# Altium PCB STEERING_WHEEL_SWITCHES_V2_CONTROLLER.PcbDoc (part 2 of 2)
Units mm, origin at the board's own origin, x right, y up, seen from the top; angles counter-clockwise.
Board outline 50 x 40 mm, 4 copper layers (Top Layer, Mid Layer 1, Mid Layer 2, Bottom Layer), stack 1.57 mm thick; 158 components, 142 nets, 541 pads, 201 vias.
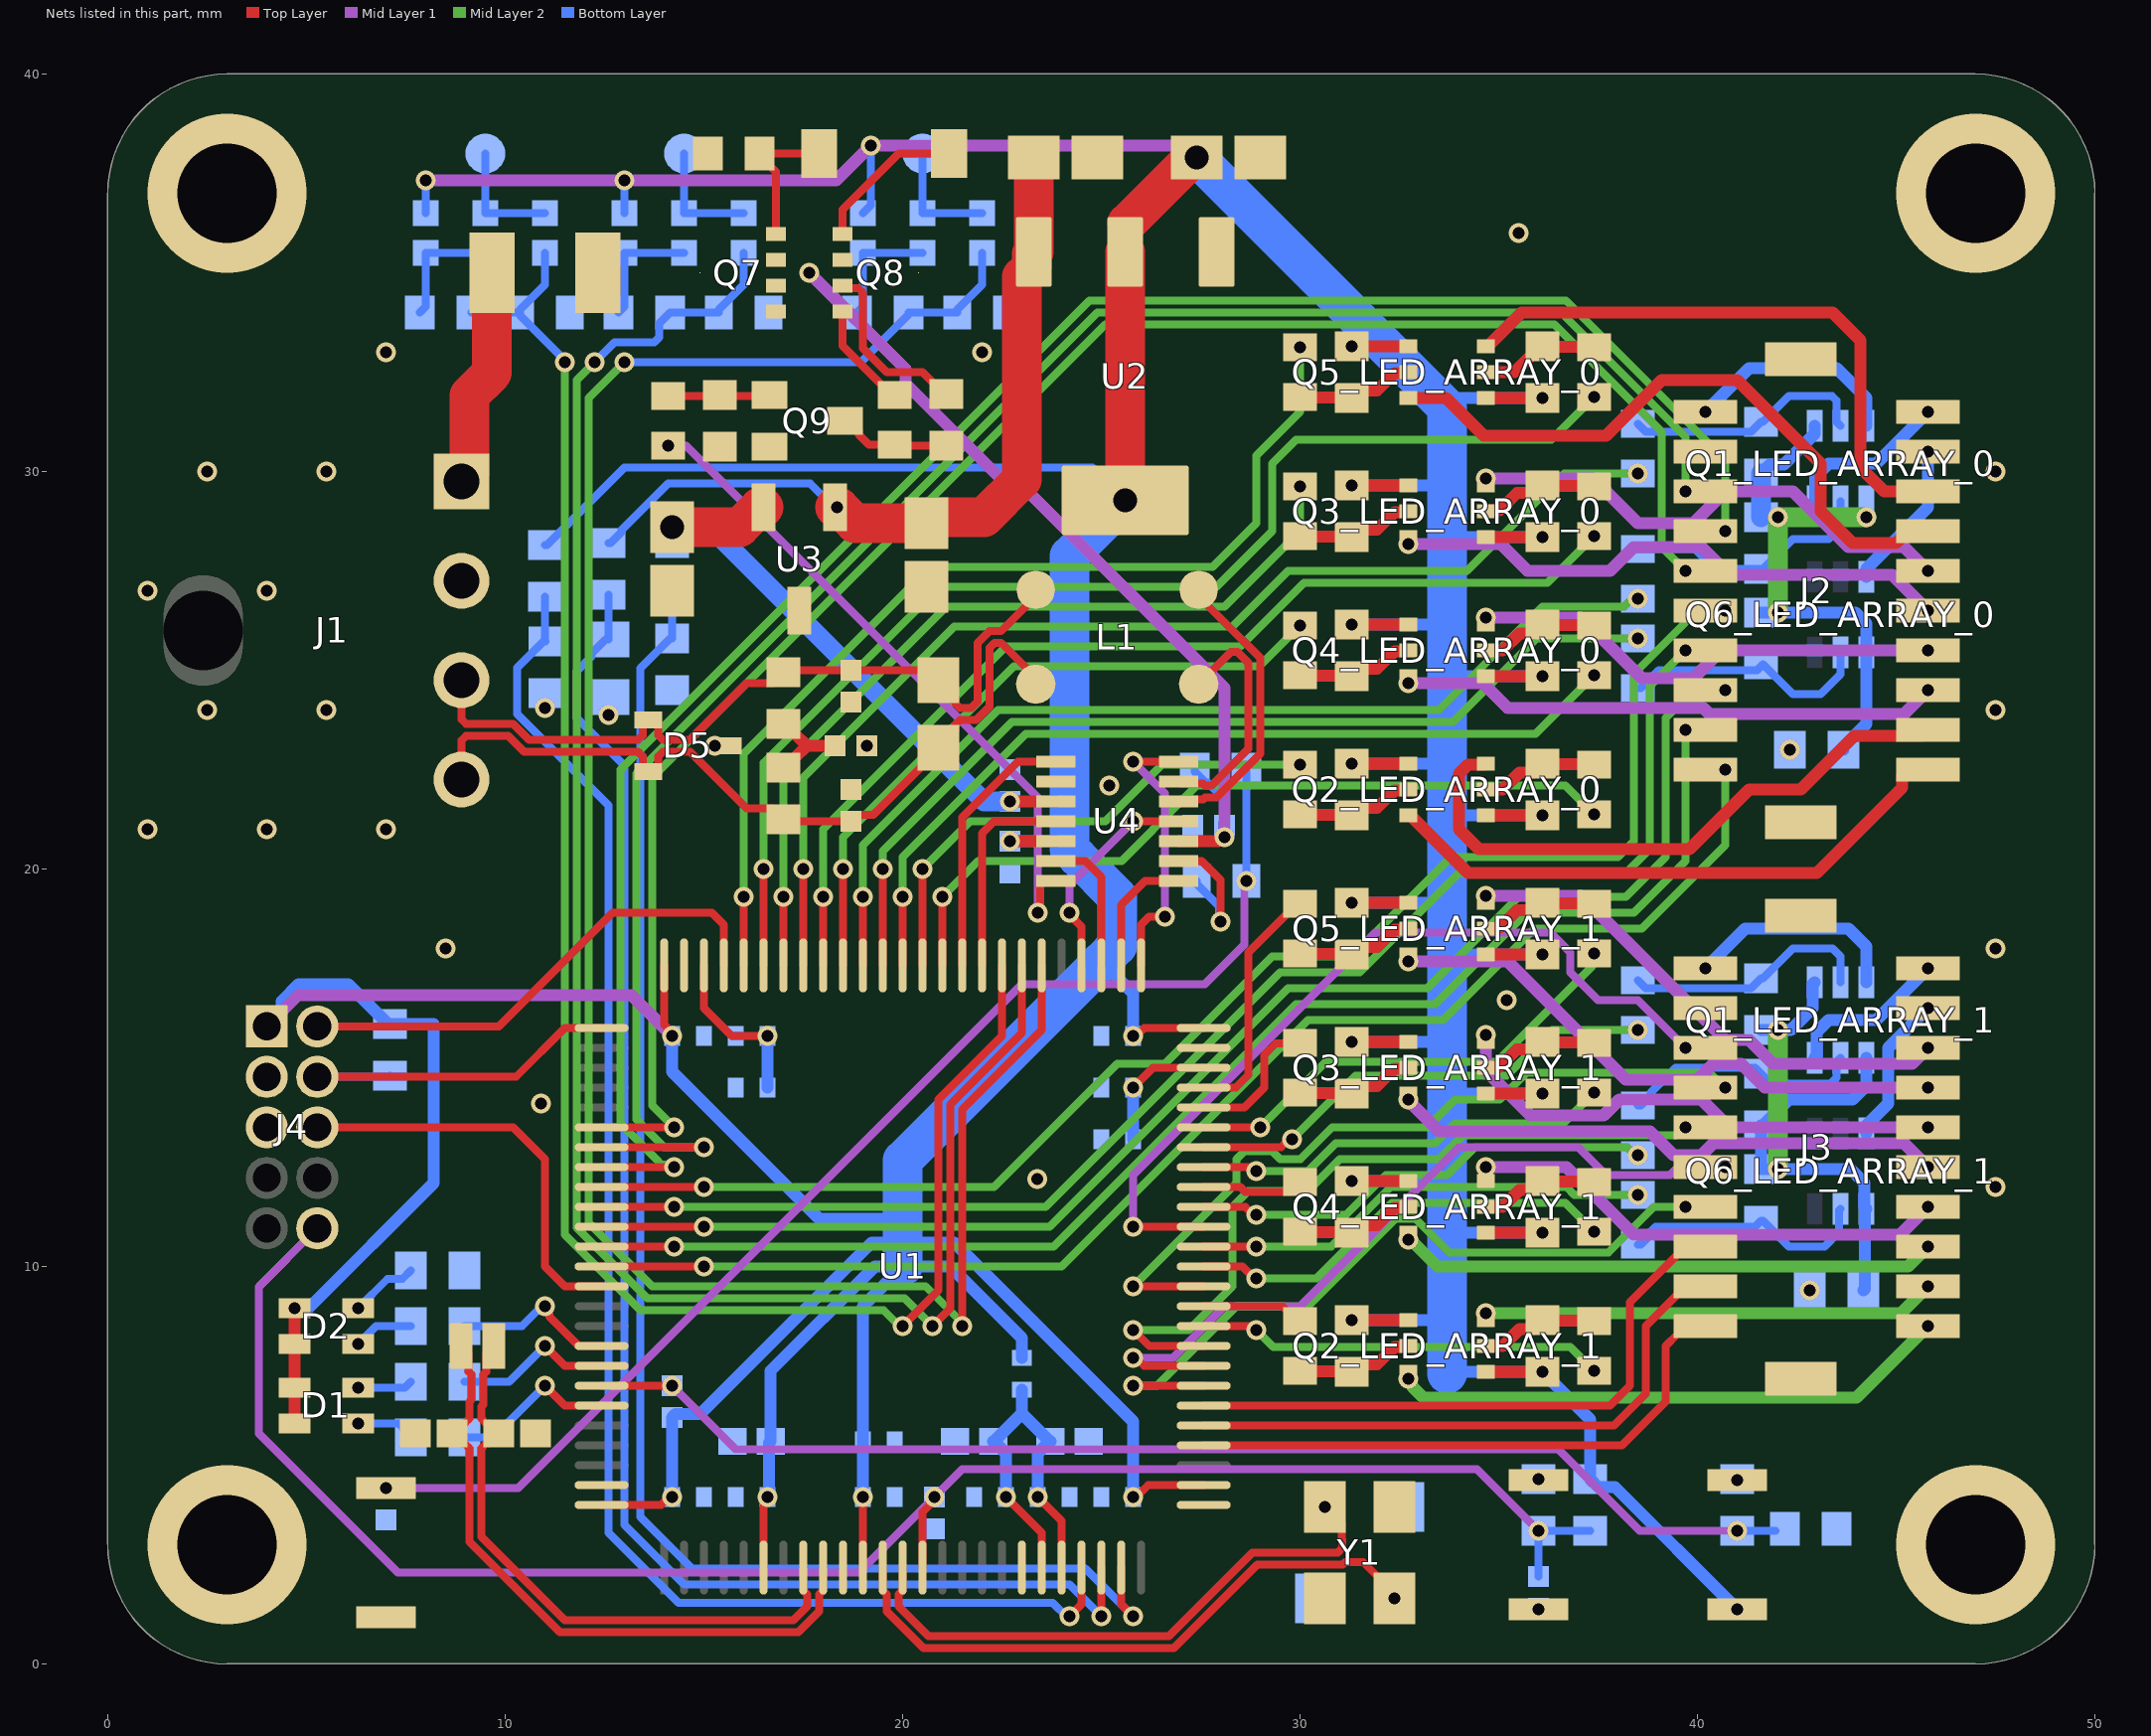
[diagram p4: the nets of this part, all layers, seen from the top]

## Via types
v1: diameter 0.5, hole 0.3, Top Layer to Bottom Layer, tented both sides, 191 vias
v2: diameter 4, hole 2.5, Top Layer to Bottom Layer, tented both sides, 4 vias
v3: diameter 0.5, hole 0.3, Top Layer to Bottom Layer, 3 vias
v4: diameter 1, hole 0.6, Top Layer to Bottom Layer, tented both sides, 3 vias

## Nets (pads, with @x,y where several pads share a name; then routed paths per layer and width w, separated by ;. In a path a pad name is that pad's centre, name@x,y a point inside that pad or via, vN(x,y) a via of type N, cw(c..) or ccw(c..) an arc to the next point about the centre after c; other vN are vias at no path point)
3V3: C2.1 C3.2 C4.2 C5.2 C6.2 C7.2 C14.1 C15.2 C20.2 C25.1 C29.2 D1.2 D1.3 D2.2 D2.3 FB1.1 J4.01 Q2_LED_ARRAY_0.1 Q2_LED_ARRAY_0.4 Q2_LED_ARRAY_1.1 Q2_LED_ARRAY_1.4 Q3_LED_ARRAY_0.1 Q3_LED_ARRAY_0.4 Q3_LED_ARRAY_1.1 Q3_LED_ARRAY_1.4 Q4_LED_ARRAY_0.1 Q4_LED_ARRAY_0.4 Q4_LED_ARRAY_1.1 Q4_LED_ARRAY_1.4 Q5_LED_ARRAY_0.1 Q5_LED_ARRAY_0.4 Q5_LED_ARRAY_1.1 Q5_LED_ARRAY_1.4 R3.2 R5.1 R13.1 R16_LED_ARRAY_0.2 R16_LED_ARRAY_1.2 R17_LED_ARRAY_0.2 R17_LED_ARRAY_1.2 R21_LED_ARRAY_0.2 R21_LED_ARRAY_1.2 R22_LED_ARRAY_0.2 R22_LED_ARRAY_1.2 R27_LED_ARRAY_0.2 R27_LED_ARRAY_1.2 R28_LED_ARRAY_0.2 R28_LED_ARRAY_1.2 R33_LED_ARRAY_0.2 R33_LED_ARRAY_1.2 R34_LED_ARRAY_0.2 R34_LED_ARRAY_1.2 R38.2 R54.2 R59.2 SW1.2 U1.6 U1.11 U1.27 U1.50 U1.75 U1.100 U2.2 U2.4 U4.5 | length 260.6
  Top Layer w0.2: U1.100@12.425,4 13.919,4 14.119,4.2 v1(14.2,4.2) ; U1.75@14,17.575 14,16.081 14.2,15.881 v1(14.2,15.8) ; U1.6@16.5,2.425 16.5,4.019 16.6,4.119 v1(16.6,4.2) ; U1.11@19,2.425 v1(19,4.2) ; v1(25.8,4.2) 25.881,4.2 26.181,4.5 U1.27@27.575,4.5 ; v1(25.8,15.8) 25.881,15.8 26.081,16 U1.50@27.575,16
  Top Layer w0.3: D1.3@4.7,6.05 D1.2@4.7,6.95 D2.3@4.7,8.05 v1(4.7,8.95) ; v1(22.7,20.7) U4.5@23.857,20.7 ; v1(31.3,8.65) Q2_LED_ARRAY_1.1@32.725,8.65 ; v1(31.3,12.15) Q4_LED_ARRAY_1.1@32.725,12.15 ; v1(31.3,15.65) Q3_LED_ARRAY_1.1@32.725,15.65 ; v1(31.3,19.15) Q5_LED_ARRAY_1.1@32.725,19.15 ; v1(31.3,22.65) Q2_LED_ARRAY_0.1@32.725,22.65 ; v1(31.3,26.15) Q4_LED_ARRAY_0.1@32.725,26.15 ; v1(31.3,29.65) Q3_LED_ARRAY_0.1@32.725,29.65 ; v1(31.3,33.15) Q5_LED_ARRAY_0.1@32.725,33.15 ; Q2_LED_ARRAY_1.4@34.675,7.35 v1(36.1,7.35) ; Q4_LED_ARRAY_1.4@34.675,10.85 v1(36.1,10.85) ; Q3_LED_ARRAY_1.4@34.675,14.35 v1(36.1,14.35) ; Q5_LED_ARRAY_1.4@34.675,17.85 v1(36.1,17.85) ; Q2_LED_ARRAY_0.4@34.675,21.35 v1(36.1,21.35) ; Q4_LED_ARRAY_0.4@34.675,24.85 v1(36.1,24.85) ; Q3_LED_ARRAY_0.4@34.675,28.35 v1(36.1,28.35) ; Q5_LED_ARRAY_0.4@34.675,31.85 v1(36.1,31.85)
  Top Layer w1: v4(25.6,29.275) U2.2@25.6,35.525 ; U2.2@25.65,36.25 C25.1@27.3,37.9
  Mid Layer 1 w0.3: J4.01@4,16.04 4.782,16.822 13.178,16.822 v1(14.2,15.8) ; v1(8,37.325) v1(13,37.325) 18.325,37.325 v1(19.2,38.2) 26.911,38.2 27.211,37.9 v4(27.4,37.9)
  Bottom Layer w0.2: R59.2@8,36.5 v1(8,37.325) ; R38.2@11,28.15 11.05,28.15 13,30.1 24.775,30.1 v4(25.6,29.275) ; R54.2@13,36.5 v1(13,37.325) ; R3.2@19,36.5 19.2,36.7 v1(19.2,38.2)
  Bottom Layer w0.3: J4.01@4,16.04 4.38,16.42 4.38,16.68 4.8,17.1 6.05,17.1 7.05,16.1 R5.1@7.1,16.1 8.2,16.1 8.2,12.1 5.07,8.97 4.72,8.97 v1(4.7,8.95) ; v1(14.2,4.2) C20.2@14.2,6.2 14.288,6.288 14.91,6.288 19.222,10.6 20,10.6 21.3,10.6 25.8,6.1 v1(25.8,4.2) ; C6.2@14.2,15.85 v1(14.2,15.8) 14.2,14.9 17.9,11.2 20,11.2 ; v1(16.6,4.2) 16.639,4.239 16.639,5.561 C14.1@16.679,5.6 16.679,7.379 19.3,10 20,10 ; v1(19,4.2) C2.1@19,5.6 19,9 20,10 ; v1(22.7,20.7) 24,20.7 24.4,20.3 ; FB1.1@23,7.7 23,8.2 21.2,10 20,10 ; 25,17.671 25.8,16.871 v1(25.8,15.8) ; v1(31.3,8.65) 33.65,8.65 33.7,8.6 ; v1(31.3,12.15) 33.55,12.15 33.7,12 ; v1(31.3,15.65) 33.65,15.65 33.7,15.6 ; v1(31.3,19.15) 33.65,19.15 33.7,19.1 ; v1(31.3,22.65) 33.65,22.65 33.7,22.6 ; v1(31.3,26.15) 33.65,26.15 33.7,26.2 ; v1(31.3,29.65) 33.5,29.65 33.7,29.85 ; 33.7,7.3 33.75,7.35 v1(36.1,7.35) 37.3,6.15 R13.1@37.3,4.65 37.506,4.444 37.931,4.444 v1(41,1.375) ; 33.7,10.8 33.75,10.85 v1(36.1,10.85) ; 33.7,14.3 33.75,14.35 v1(36.1,14.35) ; 33.7,17.9 33.75,17.85 v1(36.1,17.85) ; 33.7,21.4 33.75,21.35 v1(36.1,21.35) ; 33.7,24.633 33.917,24.85 v1(36.1,24.85) ; 33.7,28.1 33.95,28.35 v1(36.1,28.35) ; 33.7,31.6 33.95,31.85 v1(36.1,31.85)
  Bottom Layer w1: 20,10 20,10.6 20,11.2 20,12.671 25,17.671 25.394,18.065 25.394,19.306 24.4,20.3 ; 24.2,20.5 24.2,27.875 v4(25.6,29.275) ; v4(27.4,37.9) 33.7,31.6 33.7,29.85 33.7,28.1 33.7,26.2 33.7,24.633 33.7,22.6 33.7,21.4 33.7,19.1 33.7,17.9 33.7,15.6 33.7,14.3 33.7,12 33.7,10.8 33.7,8.6 33.7,7.3
5V: C27.1 C28.2 R41.2 U3.2 U4.3 | length 15
  Top Layer w0.3: v1(22.7,21.7) U4.3@23.857,21.7
  Top Layer w1: v4(14.2,28.601) 15.901,28.601 16.4,29.1 U3.2@16.5,29.1
  Bottom Layer w0.5: v4@14.201,28.6 15.15,28.6 22.05,21.7 v1(22.7,21.7)
BLU_ENABLE_LED_ARRAY_0: R31_LED_ARRAY_0.1 U1.64 | length 24.1
  Top Layer w0.2: U1.64@19.5,17.575 v1(19.5,20)
  Mid Layer 2 w0.2: v1(19.5,20) 19.5,20.45 22.748,23.698 33.848,23.698 35.95,25.8 v1(38.5,25.8)
BLU_ENABLE_LED_ARRAY_1: R31_LED_ARRAY_1.1 U1.39 | length 11.6
  Top Layer w0.2: U1.39@27.575,10.5 v1(28.9,10.5)
  Mid Layer 2 w0.2: v1(28.9,10.5) 30.784,10.5 32.28,11.997 36.705,11.997 36.902,11.8 v1(38.5,11.8)
BOOT: C20.1 R9.1 R12.2 U1.94 | length 31.1
  Top Layer w0.2: U1.94@12.425,7 v1(14.2,7)
  Mid Layer 1 w0.2: v1(14.2,7) 15.8,5.4 36.5,5.4 38.55,3.35 v1(41,3.35)
  Bottom Layer w0.2: v1(41,3.35) R12.2@41.967,3.35
CAN_INH: R42.2 U4.7 | length 17.1
  Top Layer w0.2: v1(23.4,18.9) 23.4,18.981 23.468,19.049 23.468,19.647 23.52,19.7 U4.7@23.857,19.7
  Mid Layer 1 w0.2: v1(14.1,30.65) 14.55,30.65 23.4,21.8 v1(23.4,18.9)
CAN_MISO: U1.53 U4.6 | length 3.5
  Top Layer w0.2: U4.6@23.857,20.2 24.6,20.2 25,19.8 U1.53@25,17.575
CAN_MOSI: U1.54 U4.11 | length 5.6
  Top Layer w0.2: v1(24.2,18.9) 24.2,18.853 24.5,18.553 U1.54@24.5,17.575 ; v1(25.804,21.196) 25.805,21.198 U4.11@26.943,21.2 U4.11@26.943,21.2
  Mid Layer 1 w0.2: v1(24.2,18.9) 24.2,19.6 25.796,21.196 v1(25.804,21.196)
CAN_N: C32.1 D5.1 J1.3 L1.4 R49.1 R50.1 | length 19.8
  Top Layer w0.2: J1.3@8.9,24.75 8.9,23.768 9.017,23.651 10.199,23.651 10.599,23.251 13.339,23.251 13.456,23.368 13.456,23.64 13.566,23.75 13.74,23.75 13.85,23.64 13.85,23.368 13.967,23.251 14.651,23.251 16.073,24.673 16.722,24.673 17.049,25 C32.1@18.7,25 20.65,25 R50.1@20.9,24.75 21.325,24.325 21.325,24.168 21.442,24.051 21.725,24.051 21.888,24.214 21.888,25.685 22.191,25.988 22.481,25.988 23.35,26.857 L1.4@23.35,27.025
CAN_nCS: U1.51 U4.14 | length 7.1
  Top Layer w0.2: v1(25.8,22.7) U4.14@26.943,22.7 ; U1.51@26,17.575 26,18.6 26.2,18.8 v1(26.6,18.8)
  Mid Layer 1 w0.2: v1(25.8,22.7) 26.6,21.9 v1(26.6,18.8)
CAN_P: C34.2 D5.2 J1.4 L1.1 R50.2 R51.2 | length 20.5
  Top Layer w0.2: J1.4@8.9,22.25 8.9,23.232 9.017,23.349 10.074,23.349 10.474,22.949 13.339,22.949 13.456,22.832 13.456,22.56 13.566,22.45 13.74,22.45 13.85,22.56 13.85,22.832 13.967,22.949 14.651,22.949 16.073,21.527 16.722,21.527 17.049,21.2 C34.2@18.7,21.2 18.86,21.36 19.26,21.36 20.9,23 R50.2@20.9,23.05 21.325,23.475 21.325,23.632 21.442,23.749 21.85,23.749 22.189,24.089 22.189,25.561 22.316,25.687 22.481,25.687 23.35,24.818 L1.1@23.35,24.65
CAN_PWR: C30.2 D3.1 Q7.1 Q7.2 Q7.3 Q8.1 Q8.2 Q8.3 R40.2 R47.1 U4.10 | length 30.5
  Top Layer w0.2: Q8.3@18.49,34.675 18.547,34.618 18.883,34.618 19,34.501 19,33.1 19.6,32.5 20.5,32.5 21.05,31.95 R40.2@21.1,31.95 ; Q8.1@18.49,35.975 18.49,36.59 19.9,38 D3.1@21.17,38
  Top Layer w0.3: U4.10@26.943,20.7 27.946,20.7 28.046,20.8 v1(28.1,20.8)
  Mid Layer 1 w0.3: v1(17.65,35) 20.077,32.573 20.077,32.207 22.616,29.668 22.982,29.668 28.1,24.55 v1(28.1,20.8)
  Bottom Layer w0.2: R47.1@27.35,22.5 27.35,22.45 27.625,22.175 27.675,22.175 28.1,21.75 C30.2@28.1,21.1 ; C30.2@28.043,21.163 28.043,20.857 v1(28.1,20.8)
CAN_RX: U1.59 U4.4 | length 5.3
  Top Layer w0.2: U1.59@22,17.575 22,20.9 22.3,21.2 U4.4@23.857,21.2
CAN_SCLK: U1.52 U4.8 | length 3.2
  Top Layer w0.2: U1.52@25.5,17.575 25.5,19.1 26.1,19.7 U4.8@26.943,19.7
CAN_TX: U1.60 U4.1 | length 6.7
  Top Layer w0.2: U1.60@21.5,17.575 21.5,21.3 22.9,22.7 U4.1@23.857,22.7
EN_MOSFET: Q8.4 R2.1 | length 2.7
  Top Layer w0.2: Q8.4@18.49,34.025 18.49,33.16 19.725,31.925 R2.1@19.8,31.925
G_LED: R7.1 U1.93 | length 4
  Top Layer w0.2: v1(11,8) 11.5,7.5 U1.93@12.425,7.5
  Bottom Layer w0.2: R7.1@8.975,7.1 10.1,7.1 v1(11,8)
GND: C1.2 C2.2 C3.1 C4.1 C5.1 C6.1 C7.1 C8.2 C9.1 C10.1 C11.1 C12.1 C13.1 C14.2 C15.1 C16.2 C17.1 C18.1 C19.1 C21.2 C22.2 C23.2 C24.2 C25.2 C26.2 C27.2 C28.1 C29.1 C30.1 C31.1 C32.2 C33.2 C34.1 D5.3 J1.2 J2.18 J2.21 J2.22 J3.18 J3.21 J3.22 J4.03 J4.05 Q9.2 R1_LED_ARRAY_0.2 R1_LED_ARRAY_1.2 R11.1 R12.1 R37.2 R39.1 R43.1 R44.2 R46.1 R53.1 R58.1 R63.1 SW2.2 SW3.1 U1.10 U1.19 U1.26 U1.49 U1.74 U1.99 U2.1 U3.3 U4.2 Y1.2 Y1.4
  other v1: 36,1.375 42.825,9.4 47.5,12 23.382,12.206 10.9,14.1 35.2,16.7 8.5,18 47.5,18 1,21 4,21 7,21 25.2,22.1 42.325,23 15.275,23.1 19.1,23.1 12.603,23.875 2.5,24 5.5,24 47.5,24 11,24.05 1,27 4,27 2.5,30 5.5,30 47.5,30 7,33 22,33 35.5,36
  other v2: 3,3 47,3 3,37 47,37
GRN_ENABLE_LED_ARRAY_0: R25_LED_ARRAY_0.1 U1.68 | length 28.9
  Top Layer w0.2: U1.68@17.5,17.575 v1(17.5,20)
  Mid Layer 2 w0.2: v1(17.5,20) 17.5,22.3 21.3,26.1 28.3,26.1 29.7,27.5 34.2,27.5 36.65,29.95 v1(38.5,29.95)
GRN_ENABLE_LED_ARRAY_1: R25_LED_ARRAY_1.1 U1.44 | length 12.1
  Top Layer w0.2: U1.44@27.575,13 29.519,13 29.719,13.2 v1(29.8,13.2)
  Mid Layer 2 w0.2: v1(29.8,13.2) 31.4,14.8 35.2,14.8 36.35,15.95 v1(38.5,15.95)
INT_3V3_SENSE: R38.1 R39.2 U1.22 | length 38.7
  Top Layer w0.2: v1(24.2,1.2) 24.5,1.5 U1.22@24.5,2.425
  Bottom Layer w0.2: R38.1@11,26.85 11,25.74 R39.2@11.015,25.725 10.965,25.725 10.3,25.06 10.3,23.9 12.6,21.6 12.6,3.3 14.36,1.54 23.779,1.54 24.119,1.2 v1(24.2,1.2)
INT_5V_SENSE: R41.1 R44.1 U1.24 | length 38.3
  Top Layer w0.2: U1.24@25.5,2.425 25.5,1.5 v1(25.8,1.2)
  Bottom Layer w0.2: R41.1@14.2,26.9 R44.1@14.2,25.8 14.15,25.8 13.4,25.05 13.4,3.7 14.7,2.4 24.6,2.4 v1(25.8,1.2)
LED_GND_BLU_0: J2.17 Q6_LED_ARRAY_0.6 | length 3.8
  Bottom Layer w0.3: Q6_LED_ARRAY_0.6@44.25,27.35 44.25,27.55 45.8,29.1 v1(45.8,30.5)
LED_GND_BLU_1: J3.17 Q6_LED_ARRAY_1.6 | length 3.8
  Bottom Layer w0.3: Q6_LED_ARRAY_1.6@44.25,13.35 44.25,13.55 44.8,14.1 44.8,15.5 v1(45.8,16.5)
LED_GND_GRN_0: J2.19 Q1_LED_ARRAY_0.3 | length 4.1
  Bottom Layer w0.3: Q1_LED_ARRAY_0.3@42.95,29.25 42.968,29.268 42.968,29.868 43.3,30.2 44.5,30.2 v1(45.8,31.5)
LED_GND_GRN_1: J3.19 Q1_LED_ARRAY_1.3 | length 4.1
  Bottom Layer w0.3: Q1_LED_ARRAY_1.3@42.95,15.25 43,15.3 43,15.9 43.3,16.2 44.5,16.2 v1(45.8,17.5)
LED_GND_LED_ARRAY_0: Q1_LED_ARRAY_0.1 Q1_LED_ARRAY_0.4 Q6_LED_ARRAY_0.1 R1_LED_ARRAY_0.1 R18_LED_ARRAY_0.1 R26_LED_ARRAY_0.1 R32_LED_ARRAY_0.1 | length 13.9
  Mid Layer 2 w0.5: v1(42.025,26.45) v1(42.025,28.85) v1(44.25,28.85)
  Bottom Layer w0.3: R32_LED_ARRAY_0.1@41.6,26.45 v1(42.025,26.45) 43.975,26.45 44.25,26.175 44.25,23.65 43.675,23.075 R1_LED_ARRAY_0.1@43.675,23 ; R26_LED_ARRAY_0.1@41.6,29.95 41.825,30.175 42.175,30.175 42.476,30.476 42.95,30.95 Q1_LED_ARRAY_0.4@42.95,31.15
  Bottom Layer w0.5: R18_LED_ARRAY_0.1@41.6,28.85 R26_LED_ARRAY_0.1@41.6,29.95
LED_GND_LED_ARRAY_1: Q1_LED_ARRAY_1.1 Q1_LED_ARRAY_1.4 Q6_LED_ARRAY_1.1 R1_LED_ARRAY_1.1 R18_LED_ARRAY_1.1 R26_LED_ARRAY_1.1 R32_LED_ARRAY_1.1 | length 16.1
  Mid Layer 2 w0.5: v1(42.025,12.45) v1(42.025,15.95)
  Bottom Layer w0.3: R26_LED_ARRAY_1.1@41.6,15.95 v1(42.025,15.95) 42.35,15.95 42.9,16.5 42.9,17.1 Q1_LED_ARRAY_1.4@42.95,17.15 ; R1_LED_ARRAY_1.1@44.175,9.4 44.212,9.437 44.212,11.412 Q6_LED_ARRAY_1.1@44.25,11.45 44.2,11.5 44.2,12.1 43.85,12.45 R32_LED_ARRAY_1.1@41.6,12.45 R18_LED_ARRAY_1.1@41.6,13.55 41.65,13.55 42.3,14.2 43.9,14.2 44.25,14.55 Q1_LED_ARRAY_1.1@44.25,15.25
LED_GND_RED_0: J2.20 Q1_LED_ARRAY_0.6 | length 5.5
  Bottom Layer w0.3: v1(40.2,31.5) 41.3,32.6 43.5,32.6 44.25,31.85 Q1_LED_ARRAY_0.6@44.25,31.15
LED_GND_RED_1: J3.20 Q1_LED_ARRAY_1.6 | length 5.6
  Bottom Layer w0.3: v1(40.2,17.5) 41.2,18.5 43.8,18.5 44.25,18.05 Q1_LED_ARRAY_1.6@44.25,17.15
LED_POS_0: J2.1 Q2_LED_ARRAY_0.3 | length 14.9
  Top Layer w0.3: Q2_LED_ARRAY_0.3@32.725,21.35 32.775,21.35 34.225,19.9 43.006,19.9 45.15,22.044 45.15,22.35 45.3,22.5 J2.1@45.8,22.5
LED_POS_0_LED_ARRAY_1: J3.1 Q2_LED_ARRAY_1.3 | length 14.1
  Mid Layer 2 w0.3: v1(32.725,7.175) 32.725,7.121 32.825,7.021 32.825,6.976 33.101,6.7 44,6.7 v1(45.8,8.5)
LED_POS_1: J2.3 Q2_LED_ARRAY_0.6 | length 15.4
  Top Layer w0.3: Q2_LED_ARRAY_0.6@34.675,22.65 34.65,22.625 34.225,22.625 34,22.4 34,21 34.5,20.5 39.8,20.5 41.3,22 42.6,22 43.95,23.35 45.65,23.35 J2.3@45.8,23.5
LED_POS_1_LED_ARRAY_1: J3.3 Q2_LED_ARRAY_1.6 | length 11.4
  Mid Layer 2 w0.3: v1(34.675,8.825) 45.125,8.825 v1(45.8,9.5)
LED_POS_2: J2.5 Q4_LED_ARRAY_0.3 | length 13.6
  Mid Layer 1 w0.3: v1(32.725,24.675) 34.602,24.675 35.227,24.05 40.15,24.05 40.3,23.9 45.2,23.9 v1(45.8,24.5)
LED_POS_2_LED_ARRAY_1: J3.5 Q4_LED_ARRAY_1.3 | length 13.6
  Mid Layer 2 w0.3: v1(32.725,10.675) 32.779,10.675 33.456,9.998 45.298,9.998 v1(45.8,10.5)
LED_POS_3: J2.7 Q4_LED_ARRAY_0.6 | length 12
  Mid Layer 1 w0.3: v1(34.675,26.325) 37.075,26.325 38.6,24.8 39.9,24.8 40.6,25.5 v1(45.8,25.5)
LED_POS_3_LED_ARRAY_1: J3.7 Q4_LED_ARRAY_1.6 | length 12.1
  Mid Layer 1 w0.3: v1(34.675,12.497) 34.678,12.5 36.7,12.5 38.4,10.8 45.1,10.8 v1(45.8,11.5)
LED_POS_4: J2.9 Q3_LED_ARRAY_0.3 | length 14.3
  Mid Layer 1 w0.3: v1(32.725,28.175) 35.052,28.175 35.727,27.5 37.8,27.5 38.4,28.1 40.1,28.1 40.8,27.4 44.9,27.4 v1(45.8,26.5)
LED_POS_4_LED_ARRAY_1: J3.9 Q3_LED_ARRAY_1.3 | length 14
  Mid Layer 1 w0.3: v1(32.725,14.2) 32.725,14.175 33.5,13.4 35.704,13.4 35.706,13.398 36.494,13.398 36.496,13.4 38.8,13.4 39.4,12.8 40.1,12.8 40.398,13.098 45.202,13.098 v1(45.8,12.5)
LED_POS_5: J2.11 Q3_LED_ARRAY_0.6 | length 12.8
  Mid Layer 1 w0.3: v1(34.675,29.825) 37.375,29.825 38.5,28.7 39.9,28.7 40.7,29.5 42.4,29.5 43.8,28.1 45.2,28.1 v1(45.8,27.5)
LED_POS_5_LED_ARRAY_1: J3.11 Q3_LED_ARRAY_1.6 | length 12.9
  Mid Layer 1 w0.3: v1(34.675,15.825) 34.675,14.925 35.8,13.8 36.328,13.8 36.329,13.802 37.638,13.802 38.036,14.2 40.1,14.2 40.8,13.5 v1(45.8,13.5)
LED_POS_6: J2.13 Q5_LED_ARRAY_0.3 | length 16.6
  Top Layer w0.3: Q5_LED_ARRAY_0.3@32.725,31.85 33.675,31.85 34.625,30.9 37.7,30.9 39.1,32.3 41,32.3 43.1,30.2 43.1,29 43.9,28.2 45,28.2 45.3,28.5 J2.13@45.8,28.5
LED_POS_6_LED_ARRAY_1: J3.13 Q5_LED_ARRAY_1.3 | length 14.7
  Mid Layer 1 w0.3: v1(32.725,17.675) 35.225,17.675 38.2,14.7 40,14.7 40.4,15.1 41.1,15.1 41.7,14.5 v1(45.8,14.5)
LED_POS_7: J2.15 Q5_LED_ARRAY_0.6 | length 15.2
  Top Layer w0.3: Q5_LED_ARRAY_0.6@34.675,33.15 34.725,33.15 35.575,34 43.4,34 44.1,33.3 44.1,30.1 44.7,29.5 J2.15@45.8,29.5
LED_POS_7_LED_ARRAY_1: J3.15 Q5_LED_ARRAY_1.6 | length 13
  Mid Layer 1 w0.3: v1(34.675,19.325) 37.075,19.325 40.7,15.7 41.3,15.7 41.9,15.1 45.4,15.1 v1(45.8,15.5)
MCU_nHORN: R6.2 R52.2 R53.2 U1.56 | length 53.1
  Top Layer w0.2: v3(21.5,8.5) 21.502,8.502 21.502,9.149 21.503,9.15 21.503,13.95 23.5,15.947 U1.56@23.5,17.575
  Mid Layer 2 w0.2: v1(13,32.75) 12.103,31.853 12.103,11.097 13.697,9.503 20.173,9.503 20.177,9.5 20.581,9.5 21.5,8.581 v3(21.5,8.5)
  Bottom Layer w0.2: v1(13,32.75) 18.95,32.75 20.15,33.95 R6.2@20.15,34 R53.2@21.375,34 21.375,34.075 22,34.7 R52.2@22,35.5